# Allegro board Coral-Dev-Board-Mini-layout-Allegro.brd (continued)
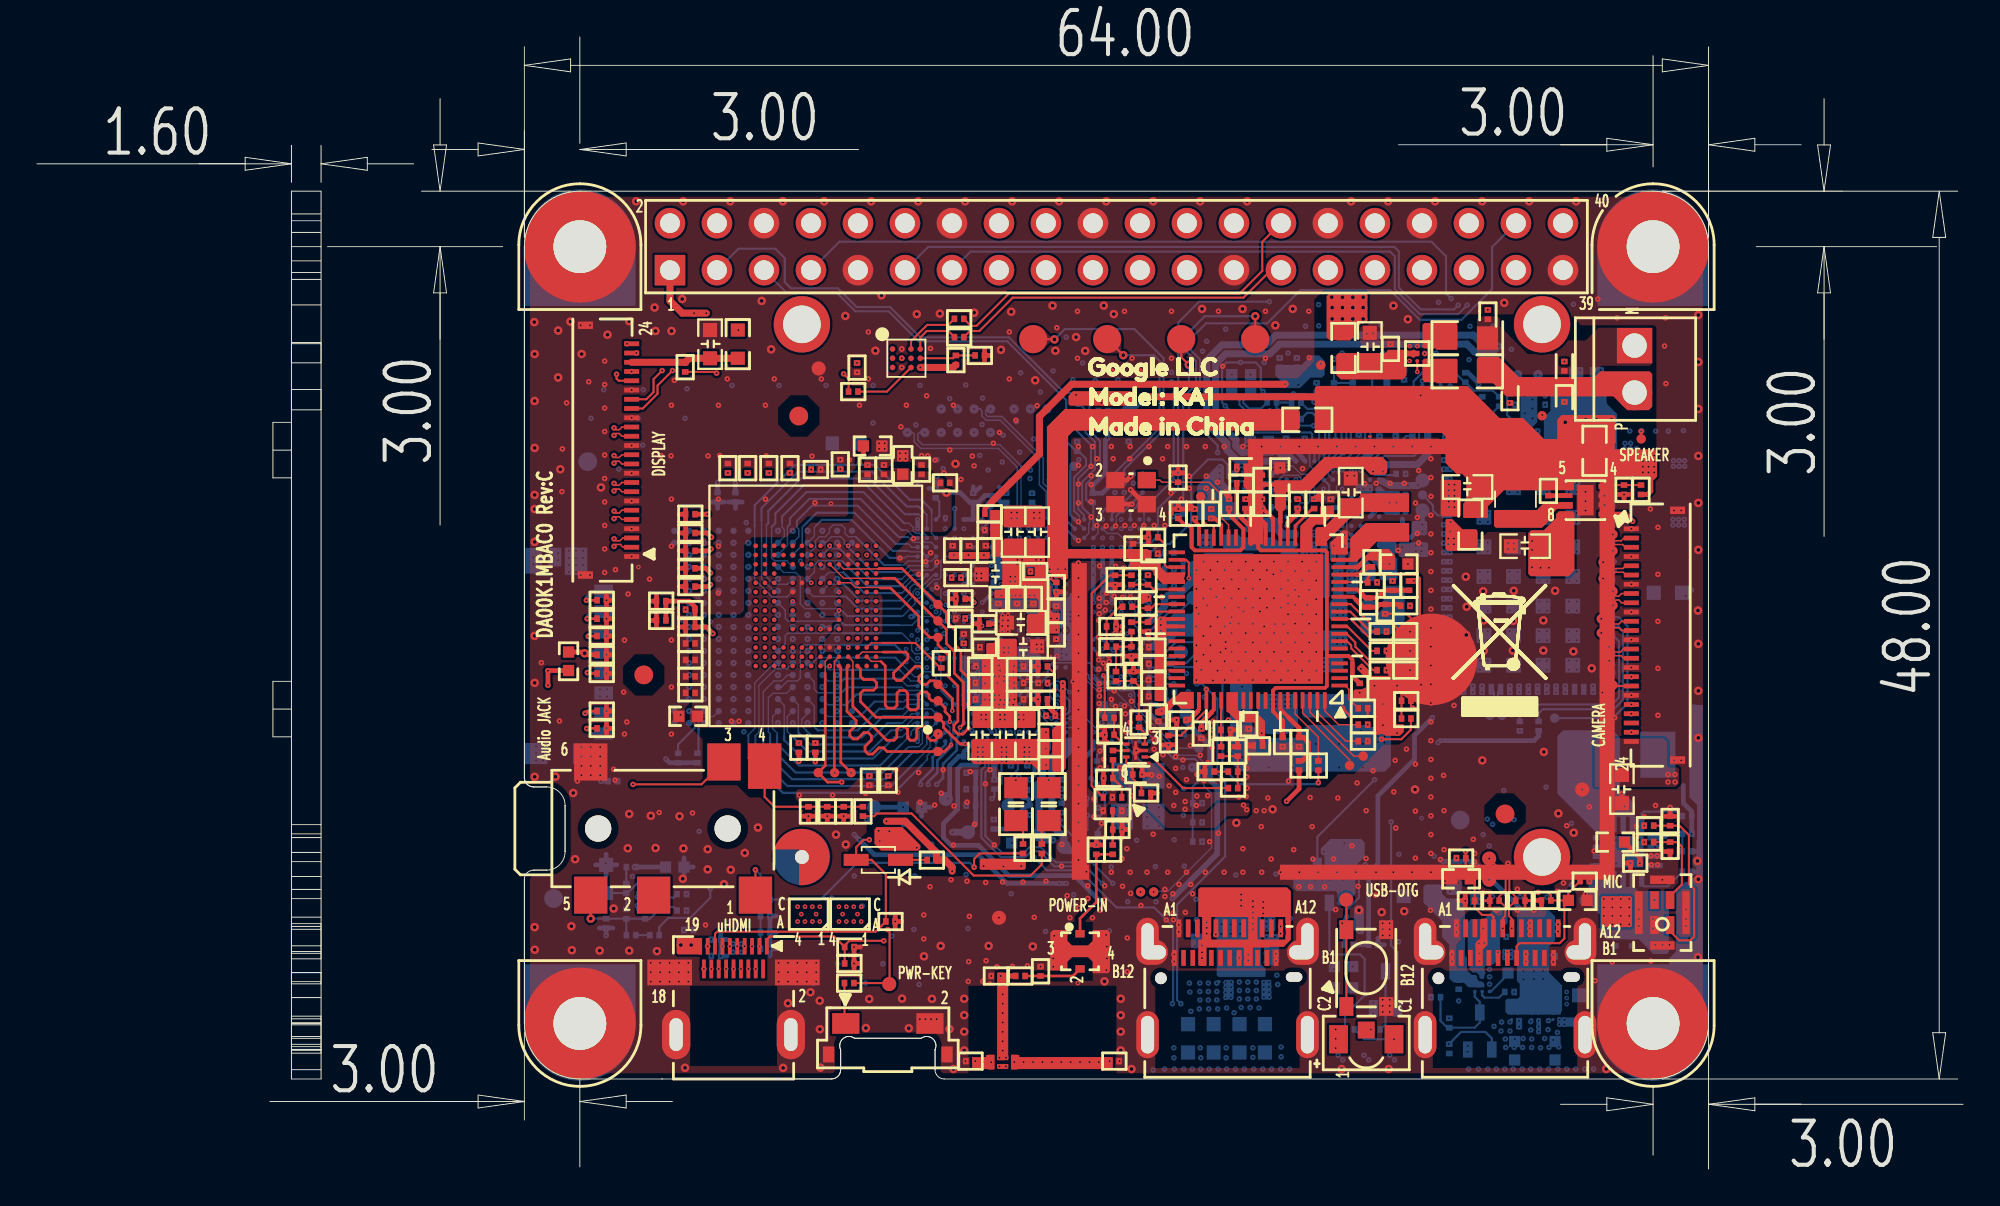
[diagram p0: board, top side]
## Routing (per net, layer and track width the routed paths; a pad name or vN(x,y) marks a point on that pad's centre or on a via; arc(x,y) is an arc through that point) (continued)
VRTC_PMU: length 5.8
  BOTTOM w0.114: TP83.1 65.35,39.82 68.83,39.82 68.92,39.73 68.92,39.07 69.04,38.95 U1.D1
VSYS: length 8.2
  L07_IN3 w0.254: v9(89.43,18.13) 88.2,16.9 v10(84.5,16.9)
  BOTTOM w0.254: 88.98,20.75 88.98,19.78 89.43,19.33 R66.2 89.43,18.13 v9(89.43,18.13)
  vias: v7(63.91,37.94) v7(63.91,37.62) v7(63.91,37.31) v7(63.92,36.99) v7(65.39,39.5) v7(65.39,39.2) v7(65.7,39.5) v7(65.7,39.2) v7(68.48,28.75) v7(68.48,28.45) v7(68.78,28.75) v7(68.78,28.45) v7(70.28,28.69) v7(70.28,28.39) v7(70.58,28.69) v7(70.58,28.39) v7(73.03,34.09) v7(73.47,36.4) v7(73.46,35.58) v7(85.82,39.24) v7(85.82,38.93) v7(85.82,38.63) v7(85.82,38.32) v7(85.83,37.97) v7(86.13,39.24) v7(86.13,38.93) v7(86.13,38.63) v7(86.13,38.32) v7(86.43,38.93) v7(86.43,38.63) v7(86.43,38.32) v8(63.91,37.94) v8(63.91,37.62) v8(63.91,37.31) v8(63.92,36.99) v8(65.39,39.5) v8(65.39,39.2) v8(65.7,39.5) v8(65.7,39.2) v8(68.48,28.75) v8(68.48,28.45) v8(68.78,28.75) v8(68.78,28.45) v8(70.28,28.69) v8(70.28,28.39) v8(70.58,28.69) v8(70.58,28.39) v8(73.03,34.09) v8(73.47,36.4) v8(73.46,35.58) v8(85.82,39.24) v8(85.82,38.93) v8(85.82,38.63) v8(85.82,38.32) v8(85.83,37.97) v8(86.13,39.24) v8(86.13,38.93) v8(86.13,38.63) v8(86.13,38.32) v8(86.43,38.93) v8(86.43,38.63) v8(86.43,38.32) v9(63.91,37.94) v9(63.91,37.62) v9(63.91,37.31) v9(63.92,36.99) v9(65.39,39.5) v9(65.39,39.2) v9(65.7,39.5) v9(65.7,39.2) v9(68.48,28.75) v9(68.48,28.45) v9(68.78,28.75) v9(68.78,28.45) v9(70.28,28.69) v9(70.28,28.39) v9(70.58,28.69) v9(70.58,28.39) v9(73.03,34.09) v9(73.47,36.4) v9(73.46,35.58) v9(85.82,39.24) v9(85.82,38.93) v9(85.82,38.63) v9(85.82,38.32) v9(85.83,37.97) v9(86.13,39.24) v9(86.13,38.93) v9(86.13,38.63) v9(86.13,38.32) v9(86.43,38.93) v9(86.43,38.63) v9(86.43,38.32) v9(88.44,38.3) v9(88.44,37.99) v9(88.41,35.12) v9(88.41,34.82) v9(88.74,38.3) v9(88.74,37.99) v9(88.72,35.12) v9(88.72,34.82) v9(89.05,38.3) v9(89.05,37.99) v9(89.02,35.12) v9(89.02,34.82) v10(71.04,38.27) v10(71.04,37.77) v11(71.04,38.27) v11(71.04,37.77) v12(71.04,38.27) v12(71.04,37.77)
VSYS_AUDIO_1W: length 2.5
  BOTTOM w0.254: R122.1 66.97,39.35 67.31,39 C127.2 67.85,39 68.39,38.46 68.39,38.42 U1.C1
VSYS_PMU:
  vias: v10(70.53,34.02) v10(70.53,33.77) v10(70.78,33.77) v10(71.04,33.77) v10(72.31,25.5) v10(72.31,25.24) v10(72.56,25.5) v10(72.56,25.24) v10(72.82,25.5) v10(72.82,25.24) v10(73.07,25.5) v10(73.07,25.24) v11(70.53,34.02) v11(70.53,33.77) v11(70.78,33.77) v11(71.04,33.77) v11(72.31,25.5) v11(72.31,25.24) v11(72.56,25.5) v11(72.56,25.24) v11(72.82,25.5) v11(72.82,25.24) v11(73.07,25.5) v11(73.07,25.24) v12(70.53,34.02) v12(70.53,33.77) v12(70.78,33.77) v12(71.04,33.77) v12(72.31,25.5) v12(72.31,25.24) v12(72.56,25.5) v12(72.56,25.24) v12(72.82,25.5) v12(72.82,25.24) v12(73.07,25.5) v12(73.07,25.24)
VUSB33_PMU: length 45.3
  L03_IN1 w0.254: v2(54.61,26.23) 54.61,26.23 54.61,25.5 54.84,25.27 56.05,25.27 v4(57.3,26.51)
  L05_POW w0.254: v4(57.3,26.51) 57.31,26.52 v5(57.31,26.94)
  L06_GND2 w0.254: v5(57.31,26.94) 57.31,26.86 v10(57.09,26.64)
  L07_IN3 w0.254: v10(58.47,26.25) 58.23,26.5 58.23,26.86 58.5,27.12 60.02,27.12 61.01,26.13 61.01,25.27 61.37,24.91 61.37,23.79 63.25,21.91 65.3,21.91 v7(65.89,21.33)
  L08_IN4 w0.254: v7(65.89,21.33) 66.45,21.89 68.33,21.89 71.42,24.98 71.42,25.64 74.41,28.63 74.41,34.94 73.94,35.4 73.94,36.49 73.48,36.95 73.48,37.37 72.58,38.27 v10(72.56,38.27)
  BOTTOM w0.114: TP65.1 74.69,39.94 74.69,38.82 74.42,38.55 72.82,38.55 U1.L1
  BOTTOM w0.254: v10(58.47,26.25) 58.44,26.28 57.42,26.28 U6.Y18
VXO22_PMU: length 43.1
  L04_IN2 w0.254: v3(54.53,24.51) 54.53,24.13 v4(54.1,23.69)
  L05_POW w0.254: v4(54.1,23.69) v5(54.1,23.03)
  L06_GND2 w0.254: v6(54.04,21.95) 54.1,22.01 v5(54.1,23.03)
  L07_IN3 w0.381: v9(52.66,20.54) 53.77,20.54 54.11,20.87 54.11,21.88 v6(54.04,21.95)
  L08_IN4 w0.381: v10(72.04,34.77) 72.36,34.77 72.47,34.67 73.08,34.67 73.5,34.24 73.5,29 70.52,26.02 70.52,25.61 67.73,22.82 65.75,22.82 59.96,17.02 56.9,17.02 56.3,16.42 53.69,16.42 52.66,17.44 v9(52.66,20.54)
  BOTTOM w0.254: TP82.1 52.63,19.79 R106.2
WATCHDOG: length 30.2
  L08_IN4 w0.089: v9(68.51,39.5) 68.17,39.85 67.19,39.85 65.67,38.33 65.67,37.5 65.41,37.24 65.41,36.28 64.87,35.74 64.87,30.89 65,30.76 65,27.03 61.98,24.02 61.46,24.02 59.95,22.5 58.62,22.5 56.76,24.37 56.06,24.37 55.85,24.58 55.85,24.9 55.65,25.11 55.43,25.11 55.09,24.77 54.89,24.77 54.09,23.97 v10(54.09,23.62)
WF0_LNA_EXT_G: length 2.5
  TOP w0.114: U8.46 60.44,30.54 60.22,30.32 L11.2 59.58,30.32 59.51,30.4 L16.1
WF0_RFIO_A: length 2.6
  TOP w0.114: L22.1 L20.2 60.09,31.59 60.34,31.34 U8.44
WF0_RFIO_G: length 2.7
  TOP w0.114: U8.47 60.58,30.14 60.04,29.6 L14.2 L17.1
WF_BT_2G_TDD: length 2.2
  TOP w0.114: U11.1 58.62,20.65 C202.1 C196.1
WF_RF_5G_TRX: length 13.8
  TOP w0.114: U11.3 57,20.72 57,31.11 57.99,32.1 L24.2 L22.2
WF_TDD: length 1
  TOP w0.114: C189.2 59.87,23.57 U15.3
WIFI_3.3V: length 20.4
  TOP w0.203: 67.2,34.97 U8.26 ; U8.17 71.22,32.54 ; 63.48,24.71 63.6,24.82 U8.61
  TOP w0.229: R5.2 67.07,37 C40.1
  TOP w0.254: 60.54,20.33 R71.2 60.19,19.96 ; v2(62.92,23.79) 62.92,24.13 63.48,24.69 63.48,24.71 ; 71.22,32.54 71.38,32.54 71.91,33.07 C36.2 72.74,33.07 v4(73.09,32.71) ; 67.2,35.83 67.2,34.97
  TOP w0.61: C40.1 67.2,36.88 67.2,35.83
  L03_IN1 w0.508: 65.38,22.12 72.67,22.12 73.58,23.03 73.58,25.42
  vias: v1(65.2,19.68) v1(65.38,19.43) v1(72.21,37.71) v1(72.74,37.71) v1(76.27,34.08) v1(76.27,33.78) v1(76.37,34.46) v1(76.4,34.97) v1(76.58,34.08) v1(76.58,33.78) v2(65.2,19.68) v2(65.38,19.43) v2(72.21,37.71) v2(72.74,37.71) v2(76.27,34.08) v2(76.27,33.78) v2(76.37,34.46) v2(76.4,34.97) v2(76.58,34.08) v2(76.58,33.78) v3(72.21,37.71) v3(72.74,37.71) v3(74,25.84) v3(74.34,26.18) v3(76.27,34.08) v3(76.27,33.78) v3(76.37,34.46) v3(76.4,34.97) v3(76.58,34.08) v3(76.58,33.78) v4(72.21,37.71) v4(72.74,37.71) v4(73.55,32.71) v4(76.27,34.08) v4(76.27,33.78) v4(76.37,34.46) v4(76.4,34.97) v4(76.58,34.08) v4(76.58,33.78)
WIFI_INT_B: length 1.8
  TOP w0.076: U8.1 70.69,26.14 70.9,25.93 70.9,25.42 R61.1
WIFI_SDIO.CLK: length 26.9
  L03_IN1 w0.089: v9(49.09,35.22) 49.27,35.22 50.09,34.4 50.91,34.4 51.05,34.54 56.03,34.54 56.97,33.6 67.15,33.6 72.74,28.01 v2(72.93,28.01)
WIFI_SDIO.CMD: length 27
  L03_IN1 w0.089: v2(72.93,29.05) 72.88,29.05 67.5,34.43 57.18,34.43 56.24,35.38 50.19,35.38 v7(50.03,35.22)
  L08_IN4 w0.109: v10(49.59,34.12) 49.59,34.93 49.88,35.22 v7(50.03,35.22)
WIFI_SDIO.DAT0: length 27
  L03_IN1 w0.089: v2(72.93,26.97) 72.88,26.97 66.89,32.96 56.92,32.96 55.99,33.89 50.05,33.89 49.32,34.62 v10(49.09,34.62)
WIFI_SDIO.DAT1: length 29.2
  L03_IN1 w0.089: v2(74.2,26.97) 73.81,26.97 73.45,26.61 72.84,26.61 72.24,27.22 72.24,27.35 66.81,32.77 56.84,32.77 55.91,33.7 50,33.7 49.52,34.18 v19(49.32,34.18)
  L05_POW w0.145: v5(49.68,34.18) v19(49.32,34.18)
  L06_GND2 w0.145: v5(49.68,34.18) 49.61,34.12 v10(49.09,34.12)
WIFI_SDIO.DAT2: length 27.4
  L03_IN1 w0.089: v2(74.2,28.01) 73.67,28.54 73,28.54 72.61,28.93 72.61,29.05 67.43,34.24 57.1,34.24 56.16,35.19 50.86,35.19 v11(50.59,34.92)
  L08_IN4 w0.109: v10(50.09,34.62) 50.29,34.62 v11(50.59,34.92)
WIFI_SDIO.DAT3: length 28.5
  L03_IN1 w0.089: v9(49.6,35.71) 50.01,35.71 50.15,35.57 56.32,35.57 57.26,34.62 67.58,34.62 72.85,29.36 73.67,29.36 73.97,29.05 v2(74.2,29.05)
  BOTTOM w0.145: v9(49.6,35.71) 49.59,35.69 U6.E2
N16779904: length 3
  TOP w0.114: L23.1 L21.2 L19.2 L17.2
N16779987: length 2.6
  TOP w0.114: L21.1 C171.2 57.81,29.69 58.52,30.4 L16.2
N16780021: length 3.1
  TOP w0.114: L23.2 C188.2 59.28,26.39 59.56,26.11 C189.1
N16781432: length 2.3
  TOP w0.114: R71.1 59.69,20.65 59.22,21.11 C195.2 59.22,21.62 58.87,21.97 U15.6
N16781464: length 0.7
  TOP w0.114: U15.5 C196.2
N16781495: length 1.8
  TOP w0.114: R48.1 C191.2 58.71,22.98 U15.4
N16782197: length 1.9
  TOP w0.145: L25.1 C190.2 58.14,19.36 U11.5
N16782316: length 5.5
  TOP w0.145: U25.1 56.37,13.55 57.25,14.42 C194.2 L25.2
N16782850: length 3.1
  TOP w0.145: U25.2 55.99,10.44 C245.2 R70.2
N16782999: length 0.8
  TOP w0.279: v1(52.08,10.44) R70.1
  vias: v1(52.19,9.95) v1(52.19,9.45) v1(52.19,8.94) v1(52.19,8.43) v1(52.19,7.92) v1(52.19,7.41) v1(52.19,6.91) v1(52.19,6.4) v13(52.01,6.02) v13(52.01,5.55) v13(52.37,6.02) v13(52.37,5.55)
N16783337:
  vias: v1(52.81,5.78) v1(53.32,5.78) v1(53.83,5.78) v1(54.34,5.78) v1(54.85,5.78) v1(55.35,5.78) v1(55.86,5.78) v1(56.37,5.78) v1(56.88,5.78) v1(57.39,5.78) v1(57.97,5.83)
N16783499:
  vias: v1(50.71,5.83) v1(51.14,5.78) v1(51.56,5.78)
N16795239: length 2
  TOP w0.114: U29.4 84.79,36.98 R90.1 R91.2
N16795357: length 1
  TOP w0.254: U29.6 R92.1
N16801223: length 2.8
  BOTTOM w0.114: C267.1 88.13,15.28 86.84,15.28 86.72,15.4 U26.9
N16801377: length 2.9
  BOTTOM w0.114: R66.1 88.68,19.32 86.84,19.32 86.72,19.21 U26.4
N16802138: length 1.5
  BOTTOM w0.114: R60.2 79.5,10.53 78.56,9.59 U20.A3
N16802168: length 1.6
  BOTTOM w0.114: R59.2 79.01,9.27 78.23,9.27 78.1,9.39 U20.A2
N16802186: length 5.5
  BOTTOM w0.114: R58.2 75.85,8.02 76.23,7.64 R100.1 77.7,7.64 77.97,7.91 Q1.3 77.97,9.04 77.7,9.31 U20.A1
N16807355: length 1.8
  BOTTOM w0.254: U6.AF22 60.14,24.62 60.76,24 60.99,24 R26.1
N16807613: length 1.4
  TOP w0.114: D4.A 48.1,16.71 R105.1
N16814716: length 4.4
  BOTTOM w0.114: U6.V2 55.62,35.09 55.62,37.71 55.42,37.91 TP9.1
N16814904: length 1.2
  BOTTOM w0.114: U6.AA25 57.59,22.7 57.28,22.4 C271.2
N16814973: length 5.3
  L08_IN4 w0.076: v10(53.59,24.12) 53.84,23.87 53.84,23.46
  L08_IN4 w0.089: v9(56.97,21.13) 56.95,21.15 56.15,21.15 54.85,22.45 54.84,22.45 54.67,22.63 54.67,22.63 53.84,23.46
  BOTTOM w0.114: v9(56.97,21.13) 57.28,20.82 R132.2
N16814975: length 7.2
  L08_IN4 w0.076: 53.34,23.52 53.34,23.87 v10(53.09,24.12)
  L08_IN4 w0.089: 53.34,23.52 53.34,23.33 53.84,22.83 53.93,22.83 55.07,21.69 55.07,20.9 55.27,20.7 55.63,20.7 55.93,20.39 55.93,19.93 56.34,19.52 v9(57.33,19.52)
N16814977: length 5.6
  L08_IN4 w0.076: 52.84,23.51 52.84,23.87 v10(52.59,24.12)
  L08_IN4 w0.089: v9(55.38,20.13) 55.25,20.13 54.61,20.77 54.61,21.61 53.77,22.45 53.65,22.45 52.84,23.26 52.84,23.51
  BOTTOM w0.114: R130.2 v9(55.38,20.13)
N16814979: length 8.6
  L08_IN4 w0.089: v10(52.59,23.62) 52.59,23.24 53.57,22.26 53.68,22.26 54.38,21.55 54.38,19.77 55.29,18.86 v9(55.3,18.86)
  BOTTOM w0.114: v9(55.3,18.86) 55.3,18.67 56.34,17.62 R129.2
N16814989: length 6.5
  L08_IN4 w0.089: v10(53.09,23.62) 53.09,23.28 53.73,22.64 53.85,22.64 54.84,21.65 54.84,20.82 55.19,20.47 55.5,20.47 55.71,20.26 55.71,19.72 v9(56.31,19.12)
  BOTTOM w0.114: R128.2 v9(56.31,19.12)
N16814991: length 4.7
  L08_IN4 w0.089: v10(53.59,23.62) 53.59,23.41 53.99,23.02 54.01,23.02 56.14,20.89 56.14,20.23 v9(56.31,20.05)
N16815944: length 1
  BOTTOM w0.114: U6.P1 54.05,35.15 54.05,35.24 54.05,35.24 54.05,35.76 R69.2
N16816080: length 1.5
  BOTTOM w0.114: TP4.1 51.49,35.02 U6.H2
N16819496: length 4.2
  TOP w0.254: v4(55.04,24.51) 55.04,24.61 54.89,24.77 54.89,24.77 54.61,25.05 C219.2
  L05_POW w0.254: v4(55.04,24.51) 55.24,24.3 56.26,24.3 v5(56.8,24.85)
  L06_GND2 w0.254: v5(56.8,24.85) v11(57.1,25.14)
  L08_IN4 w0.254: v11(57.1,25.14) 57.22,25.27 57.58,25.27 v9(57.69,25.16)
N16820063: length 5.3
  BOTTOM w0.076: U6.N20 53.34,25.37 53.34,23.38
  BOTTOM w0.114: 53.34,23.38 53.19,23.23 53.19,22.87 C209.2 52.69,22.32 53.01,21.99 53.01,21.61 52.63,21.23 R106.1
N16820628: length 4.5
  L08_IN4 w0.089: v10(56.59,32.62) 56.73,32.62 56.98,32.37 58.22,32.37 58.23,32.37 v10(58.59,32.37)
  BOTTOM w0.076: R118.2 60.88,32.37 v10(58.59,32.37)
N16820631: length 3.8
  TOP w0.114: R117.2 54.99,31.72 v7(54.73,31.97)
  L08_IN4 w0.089: v7(54.73,31.97) 55.34,31.36 55.72,31.36 56.18,31.82 56.18,32.51 56.35,32.67 56.35,32.88 v10(56.59,33.12)
N16820634: length 2.1
  BOTTOM w0.114: R116.2 60.48,32.86 59.33,32.86 U6.AD6
N16821487: length 2.6
  BOTTOM w0.114: U6.AC25 60.34,21.37 Y3.1
N16828522: length 0.8
  TOP w0.114: C170.2 L18.1
N17848281: length 1
  TOP w0.114: J12.18 85.21,26.11 TP1.1
N17861640: length 5.8
  TOP w0.114: J4.1 v9(38.83,16.17)
  BOTTOM w0.114: v9(38.83,16.17) 39.1,15.9 R80.1 C273.2 R81.1 ESD2.2
N17861726: length 7.2
  TOP w0.114: R78.2 R82.1 C272.1 ESD3.2 39.85,19.59 39.33,20.11 J4.4
N17885061: length 8.9
  BOTTOM w0.114: Q4.3 69.85,11.83 70.08,11.6 71.5,11.6 71.75,11.35 71.75,9.39 70.7,8.33 R57.2
N17885064: length 3.2
  BOTTOM w0.114: Q5.3 72.88,7.83 R56.2
N17885188: length 2.4
  BOTTOM w0.114: R57.1 71.74,7.01 v9(73.34,7.01)
N17885197:
  vias: v1(72.09,7.55) v2(72.09,7.55) v3(72.09,7.55) v4(72.09,7.55) v5(72.09,7.55) v6(72.09,7.55) v7(72.09,7.55) v8(72.09,7.55) v9(72.09,7.55)
N17885971: length 2.2
  TOP w0.114: R137.1 43.64,7.94 SW1.1
N17891382: length 4.7
  TOP w0.076: 45.66,28.44 45.09,28.44 U9.C2
  TOP w0.114: C242.2 48.83,27.09 47.47,28.44 45.66,28.44
N17927723: length 2.6
  BOTTOM w0.114: C1.2 70.1,42.51 R34.1 R33.1 R20.2
N17928169: length 1.4
  BOTTOM w0.076: U1.D2 68.79,38.02 68.79,38.42 68.77,38.44
  BOTTOM w0.114: R18.2 68.77,38.74 68.77,38.44
N17928355: length 7.7
  BOTTOM w0.076: 70.28,38.4 70.28,37.64 70.44,37.48 70.44,37.1 70.23,36.9 70.23,36.51 70.79,35.96 70.79,34.52 U1.H9
  BOTTOM w0.114: TP5.1 71,40.8 71,39 70.63,38.63 70.51,38.63 70.28,38.4
N17931076: length 3.6
  TOP w0.203: U8.13 71.12,30.94 71.29,30.77
  TOP w0.254: 71.29,30.77 71.68,30.37 R10.1 72.4,30.37 72.55,30.53 C30.2 73.62,30.53 R4.1
N17931333: length 4.1
  TOP w0.203: 71.54,31.15 71.35,31.34 U8.14
  TOP w0.254: 71.54,31.15 71.81,30.88 R10.2 72.42,30.88 72.83,31.29 C29.2 R3.1
N17931466: length 1.9
  TOP w0.203: U8.16 71.29,32.14
  TOP w0.254: 71.29,32.14 71.48,32.14 71.9,32.56 C36.1
N17932120: length 2
  TOP w0.152: U8.24 68,34.77 68.93,35.71 C43.1
N17932209: length 3.2
  BOTTOM w0.114: U1.K1 72.13,38.27 72.67,38.81 73.76,38.81 73.86,38.91 73.86,39.49 74,39.63 R77.2
N17932805:
  vias: v5(67.16,28.6) v5(67.16,28.14) v5(67.61,28.6) v5(67.61,28.14) v5(68.25,32.54) v5(68.25,32.09) v5(68.8,32.54) v5(68.8,32.09) v10(67.26,27.78) v10(67.26,27.53) v10(67.26,27.27) v10(67.26,27.02) v10(67.51,27.78) v10(67.51,27.53) v10(67.51,27.27) v10(67.51,27.02) v10(67.76,27.78) v10(67.76,27.53) v10(67.76,27.27) v10(67.76,27.02) v10(68.02,27.78) v10(68.02,27.53) v10(68.02,27.27) v10(68.02,27.02) v10(68.54,33.77) v10(68.54,33.51) v10(68.54,33.26) v10(68.54,33) v11(67.26,27.78) v11(67.26,27.53) v11(67.26,27.27) v11(67.26,27.02) v11(67.51,27.78) v11(67.51,27.53) v11(67.51,27.27) v11(67.51,27.02) v11(67.76,27.78) v11(67.76,27.53) v11(67.76,27.27) v11(67.76,27.02) v11(68.02,27.78) v11(68.02,27.53) v11(68.02,27.27) v11(68.02,27.02) v11(68.54,33.77) v11(68.54,33.51) v11(68.54,33.26) v11(68.54,33) v12(67.26,27.78) v12(67.26,27.53) v12(67.26,27.27) v12(67.26,27.02) v12(67.51,27.78) v12(67.51,27.53) v12(67.51,27.27) v12(67.51,27.02) v12(67.76,27.78) v12(67.76,27.53) v12(67.76,27.27) v12(67.76,27.02) v12(68.02,27.78) v12(68.02,27.53) v12(68.02,27.27) v12(68.02,27.02) v12(68.54,33.77) v12(68.54,33.51) v12(68.54,33.26) v12(68.54,33) v16(67.26,27.78) v16(67.26,27.53) v16(67.26,27.27) v16(67.26,27.02) v16(67.51,27.78) v16(67.51,27.53) v16(67.51,27.27) v16(67.51,27.02) v16(67.76,27.78) v16(67.76,27.53) v16(67.76,27.27) v16(67.76,27.02) v16(68.02,27.78) v16(68.02,27.53) v16(68.02,27.27) v16(68.02,27.02) v16(68.54,33.77) v16(68.54,33.51) v16(68.54,33.26) v16(68.54,33)
N17933054:
  vias: v5(68.93,28.37) v5(68.93,27.91) v5(69.39,28.37) v5(69.39,27.91) v5(69.95,32.59) v5(69.95,32.14) v5(70.41,32.59) v5(70.41,32.14) v10(68.53,27.53) v10(68.53,27.27) v10(68.53,27.02) v10(68.78,27.53) v10(68.78,27.27) v10(68.78,27.02) v10(69.03,27.53) v10(69.03,27.27) v10(69.03,27.02) v10(69.29,27.53) v10(69.29,27.27) v10(69.29,27.02) v10(69.54,27.53) v10(69.54,27.27) v10(69.54,27.02) v10(69.8,27.53) v10(69.8,27.27) v10(70.04,33.77) v10(70.04,33.51) v10(70.04,33.26) v10(70.04,33) v11(68.53,27.53) v11(68.53,27.27) v11(68.53,27.02) v11(68.78,27.53) v11(68.78,27.27) v11(68.78,27.02) v11(69.03,27.53) v11(69.03,27.27) v11(69.03,27.02) v11(69.29,27.53) v11(69.29,27.27) v11(69.29,27.02) v11(69.54,27.53) v11(69.54,27.27) v11(69.54,27.02) v11(69.8,27.53) v11(69.8,27.27) v11(70.04,33.77) v11(70.04,33.51) v11(70.04,33.26) v11(70.04,33) v12(68.53,27.53) v12(68.53,27.27) v12(68.53,27.02) v12(68.78,27.53) v12(68.78,27.27) v12(68.78,27.02) v12(69.03,27.53) v12(69.03,27.27) v12(69.03,27.02) v12(69.29,27.53) v12(69.29,27.27) v12(69.29,27.02) v12(69.54,27.53) v12(69.54,27.27) v12(69.54,27.02) v12(69.8,27.53) v12(69.8,27.27) v12(70.04,33.77) v12(70.04,33.51) v12(70.04,33.26) v12(70.04,33) v16(68.53,27.53) v16(68.53,27.27) v16(68.53,27.02) v16(68.78,27.53) v16(68.78,27.27) v16(68.78,27.02) v16(69.03,27.53) v16(69.03,27.27) v16(69.03,27.02) v16(69.29,27.53) v16(69.29,27.27) v16(69.29,27.02) v16(69.54,27.53) v16(69.54,27.27) v16(69.54,27.02) v16(69.8,27.53) v16(69.8,27.27) v16(70.04,33.77) v16(70.04,33.51) v16(70.04,33.26) v16(70.04,33)
N17933258: length 3.3
  TOP w0.203: U8.30 65.6,34.69 65.39,34.91
  TOP w0.254: 65.39,34.91 64.84,35.45 R96.1
N17933389:
  vias: v8(71.54,33.27) v8(71.72,32.97) v8(71.72,32.34) v8(71.72,32.03) v9(71.54,33.27) v9(71.72,32.97) v9(71.72,32.34) v9(71.72,32.03)
N17934085: length 3.5
  BOTTOM w0.076: 70.8,38.41 70.8,38.02 U1.G2
  BOTTOM w0.114: TP3.1 71.77,40.68 71.77,39.46 71.51,39.2 C16.2 71.25,39.01 71.25,38.86 70.8,38.41
N17934398: length 1.1
  BOTTOM w0.114: R140.1 66.93,36.66 U1.A3
N17934405: length 0.9
  BOTTOM w0.114: U1.A2 67.26,37.77 67.08,37.59 R93.1
N17937278: length 6.8
  TOP w0.076: Y1.1 60.69,37.25 60.8,37.13 C181.2 63.34,37.13 63.9,36.57 63.9,35.33 64.4,34.83 U8.33
N17937510: length 2.7
  TOP w0.114: U8.35 63.6,34.74 63.52,34.82 63.24,34.82 63.01,35.04 63.01,36.22 TP57.1
N17938368: length 2.4
  TOP w0.114: R98.1 60.95,33.78 60.95,32.66 61.07,32.54 U8.41
N17941825: length 1.5
  BOTTOM w0.254: R6.1 57.09,22.7 U6.Y25
N17943937: length 4.3
  TOP w0.203: 67.62,24.44 67.2,24.86 U8.70
  TOP w0.254: R14.1 68.39,22.07 68.72,22.4 68.72,23.06 68.44,23.34 C37.1 68.21,23.85 67.62,24.44
N17944282: length 3.8
  TOP w0.076: U8.72 68,24.6 69.25,23.35 R73.1
N17944298: length 4.6
  TOP w0.076: TP33.1 70.94,22.12 68.4,24.66 U8.73
N17944312: length 4.5
  TOP w0.076: U8.74 68.8,24.7 71.17,22.32 TP32.1
N17944315: length 2.7
  TOP w0.076: U8.76 69.6,24.77 70.34,24.02 R64.1
N17944320: length 3.5
  TOP w0.076: R65.1 70.74,23.13 69.2,24.68 U8.75
N17951315: length 1.5
  BOTTOM w0.076: 72.81,37.52 72.29,37.52 U1.K2
  BOTTOM w0.114: R76.2 73.38,37.52 72.81,37.52
N17976816: length 5.7
  BOTTOM w0.076: U1.D5 69.04,36.83 68.79,37.09 68.79,37.38 68.6,37.56 68.31,37.56 67.85,38.02 67.15,38.02 67.07,37.94
  BOTTOM w0.114: R104.1 64.74,37.66 65.02,37.94 67.07,37.94
N18007831: length 3.4
  TOP w0.114: R164.1 45.93,42.03 U30.C3
N18008104: length 2.8
  TOP w0.114: U30.A4 47.74,44.96 48.08,45.31 49.25,45.31 R173.1
N18008119: length 3.3
  TOP w0.114: R172.1 49.25,45.64 48.11,45.64 47.24,44.77 U30.A3
N18129500: length 3.5
  BOTTOM w0.114: TP97.1 79.45,42.39 79.45,40.76 79.6,40.62 U31.52
N18130230: length 1.5
  BOTTOM w0.114: U31.49 78.1,41.23 R165.2
N18130235: length 1.7
  BOTTOM w0.114: U31.50 78.6,40.82 R166.2
N18132872: length 9.7
  BOTTOM w0.114: R168.1 80.14,24.51 80.75,25.11 85.12,25.11 85.5,25.5 85.5,28.53 85.19,28.84 U31.84
N18136019: length 9.8
  BOTTOM w0.114: U31.83 85.47,29.34 85.71,29.09 85.71,25.41 85.7,25.39 85.7,25.34 85.22,24.86 81.38,24.86 81.15,24.63 R55.1
N18136050: length 38.6
  TOP w0.114: v6(86.69,39.89) 86.7,39.88 TP114.1
  L07_IN3 w0.084: v9(85.24,32.34) 87.1,34.19 87.1,39.22 86.69,39.63 v6(86.69,39.89) 85.26,39.89 84.41,39.03 75.54,39.03 73.18,41.39 72.51,41.39 72.51,41.39 72.27,41.39 72.27,41.39 61.35,41.39 59.81,39.84 v9(59,39.84)
N18136062: length 9.6
  BOTTOM w0.114: TP98.1 85.17,24.38 85.96,25.17 85.96,29.36 85.48,29.84 U31.82
N18147695: length 1.9
  BOTTOM w0.114: U31.37 75.71,35.34 75.44,35.6 75.44,35.89 TP99.1
N18151525: length 5.9
  L08_IN4 w0.089: v9(75.87,41.33) 76.24,41.7 76.84,41.7 77.24,42.11 80.28,42.11 v9(81.11,42.94)
N18151527: length 9.1
  L03_IN1 w0.089: v9(75.8,42.62) 75.87,42.69 75.87,43.99 74.98,44.88 73.75,44.88 72.41,43.54 v2(69.38,43.54)
  BOTTOM w0.114: U21.C3 75.87,42.54 v9(75.8,42.62)
N18186222: length 3
  TOP w0.114: R174.1 R171.2 49.51,43.84 U30.B4
N18233323: length 1.2
  L03_IN1 w0.076: v14(49.94,31.97) 50.13,31.97 v15(50.59,31.52)
  L08_IN4 w0.076: v10(50.59,31.12) v15(50.59,31.52)
N18237571: length 2.9
  BOTTOM w0.076: U501.B3 35.91,24.76 35.53,24.38 35.53,23.84
  BOTTOM w0.114: 35.53,23.84 35.53,23.84 34.65,22.96 R15.2
N18237581: length 3.1
  BOTTOM w0.076: 35.76,23.84 35.76,24.32 35.9,24.47 36.56,24.47 U501.B4
  BOTTOM w0.114: 35.76,23.84 35.76,23.78 35.75,23.78 35.75,22.53 R39.2
N18388068: length 19.5
  L08_IN4 w0.076: 80.57,36.57 82.69,34.46
  L08_IN4 w0.089: v9(73.89,42.67) 74.42,42.13 74.42,41.8 74.67,41.55 75.22,41.55 75.74,41.03 75.76,41.03 75.77,41.02 76.13,41.02 80.57,36.57 ; v9(85,28.34) 84.94,28.34 82.78,30.5 82.78,34.37 82.69,34.46
